# Altium PCB cheriot-test.PcbDoc (part 5 of 10)
Units mil, origin at the board's own origin, x right, y up, seen from the top; angles counter-clockwise.
Board outline 4921.26 x 3149.61 mil, 8 copper layers (Top Layer, Int1 (Sign), Int2 (GND), Int3 (Sign), Int4 (Sign), Int5 (PWR), Int6 (Sign), Bottom Layer), stack 60.424 mil thick; 468 components, 516 nets, 2293 pads, 1328 vias.
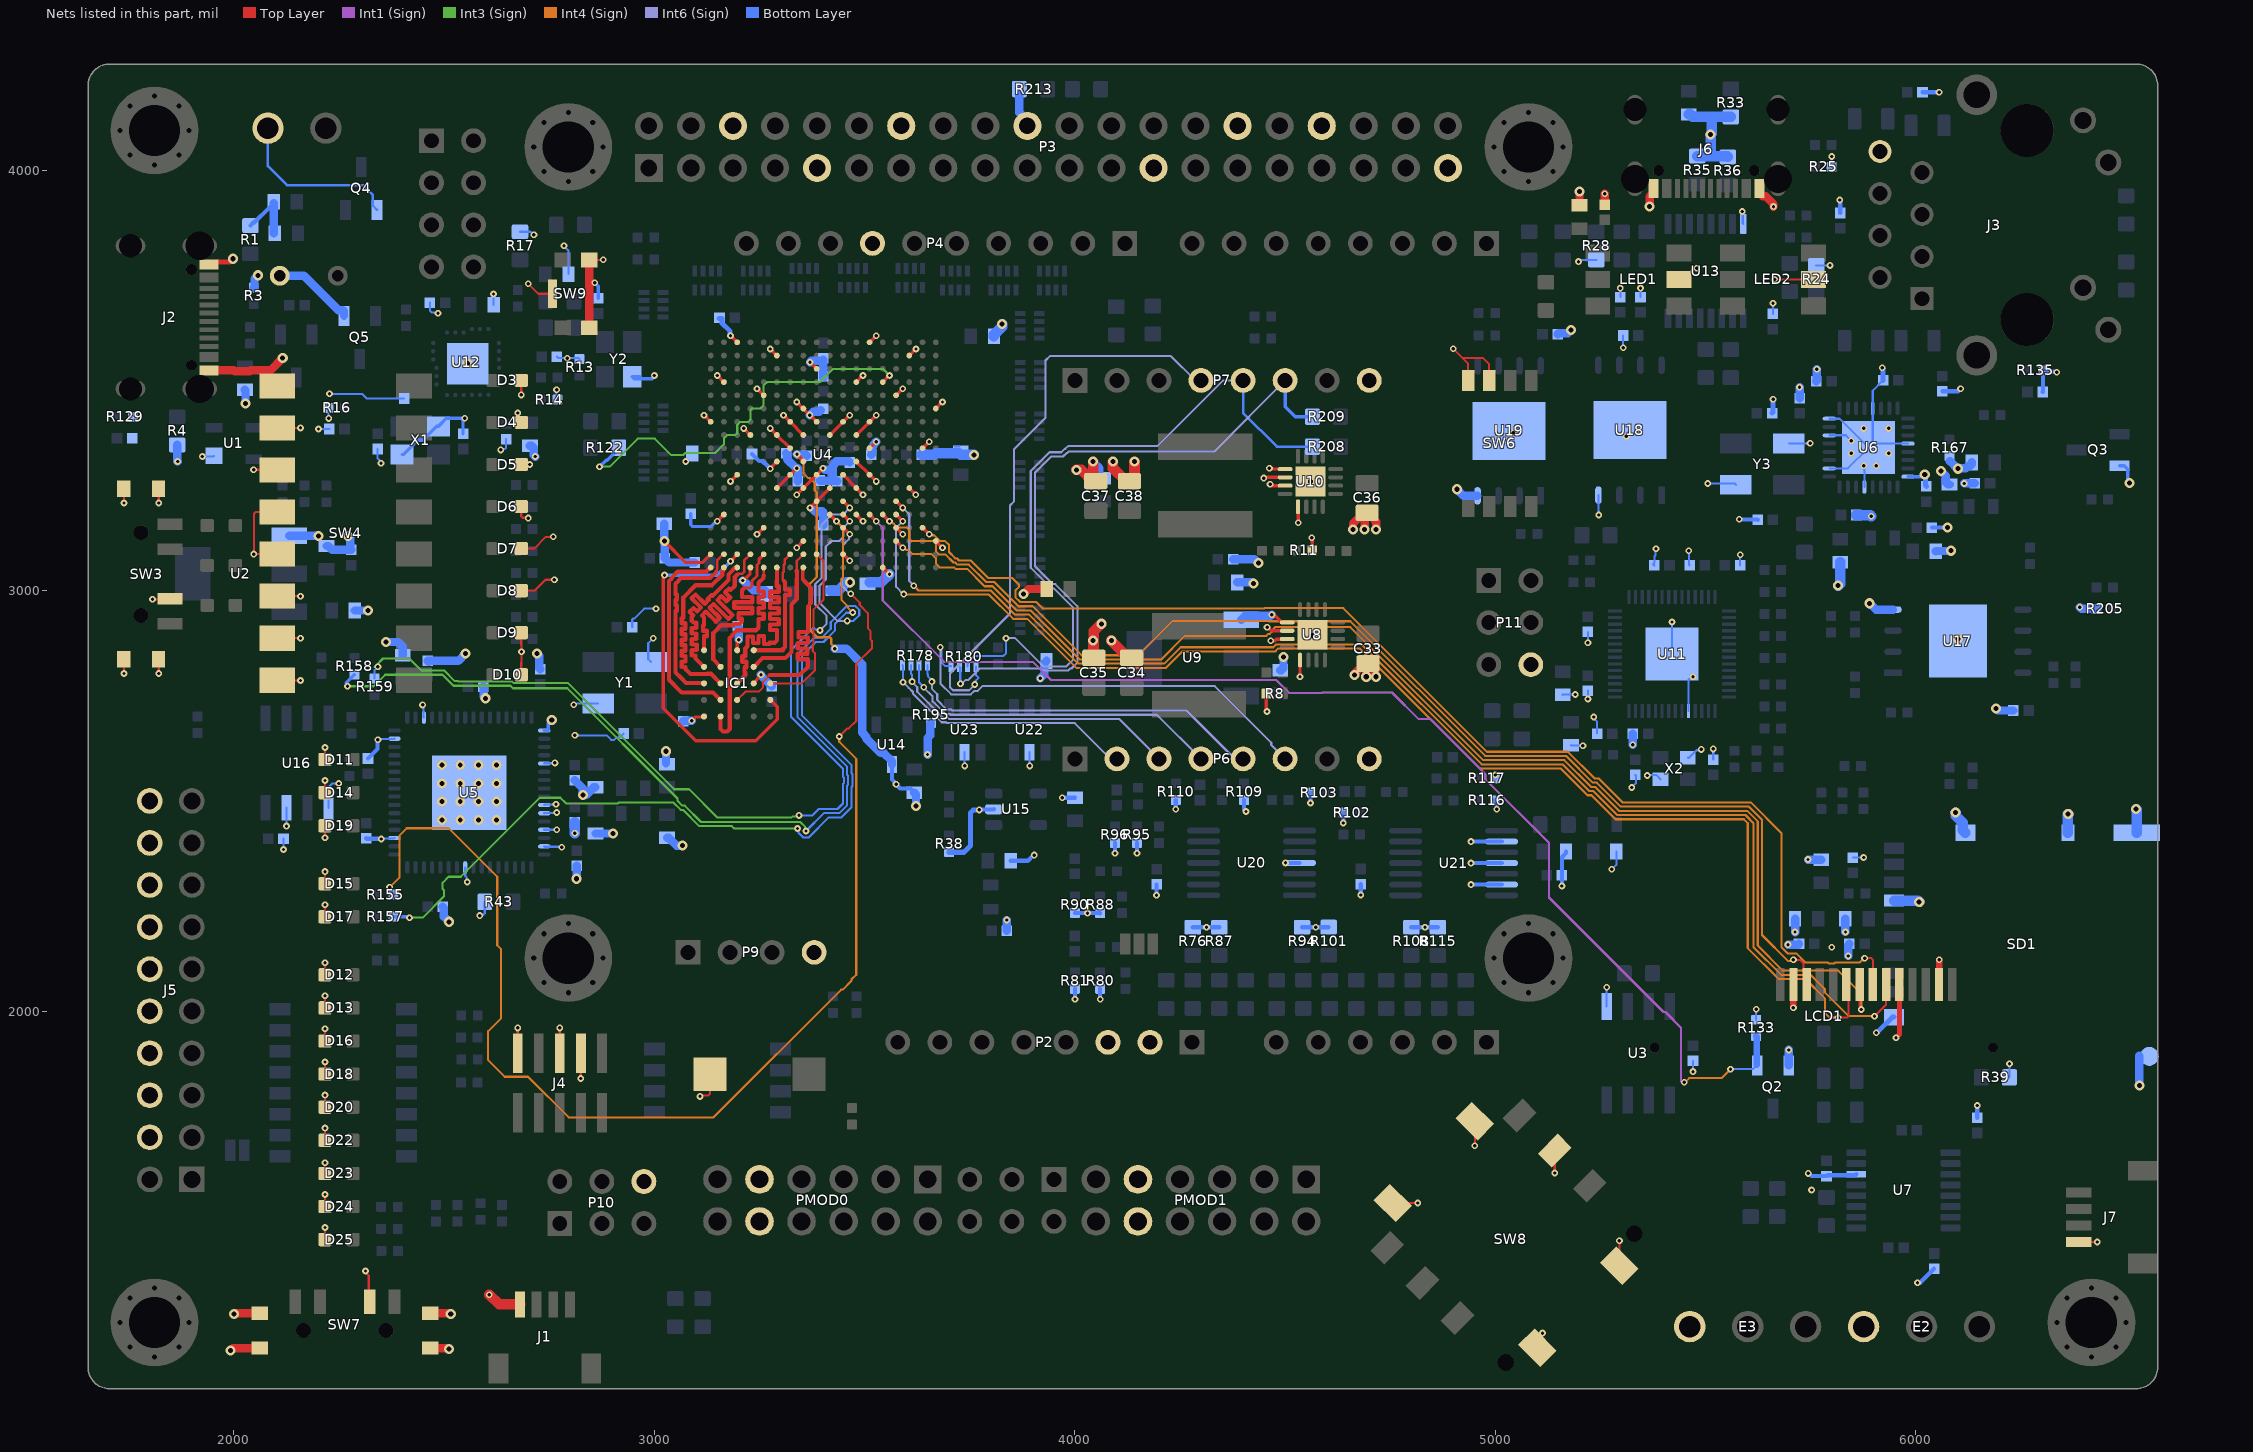
[diagram p11: the nets of this part, all layers, seen from the top]

## Via types
v1: diameter 16, hole 8, Top Layer to Bottom Layer, tented both sides, 1207 vias
v2: diameter 24, hole 12, Top Layer to Bottom Layer, tented both sides, 105 vias
v3: diameter 23.62, hole 11.81, Top Layer to Bottom Layer, tented both sides, 16 vias

## Nets (pads, with @x,y where several pads share a name; then routed paths per layer and width w, separated by ;. In a path a pad name is that pad's centre, name@x,y a point inside that pad or via, vN(x,y) a via of type N, cw(c..) or ccw(c..) an arc to the next point about the centre after c; other vN are vias at no path point) (continued)
GND: C1.2 C2.2 C3.2 C5.2 C6.2 C7.2 C8.2 C9.2 C10.2 C11.2 C12.2 C13.2 C14.2 C15.2 C16.2 C17.2 C18.2 C19.2 C20.2 C21.2 C22.2 C23.2 C24.2 C25.2 C26.2 C27.2 C28.2 C29.2 C30.2 C31.2 C32.2 C33.2 C34.2 C35.2 C36.2 C37.2 C38.2 C39.2 C40.2 C41.2 C42.2 C43.2 C44.2 C45.2 C46.2 C47.2 C48.2 C50.2 C51.2 C52.2 C53.2 C54.2 C55.2 C56.2 C57.2 C58.2 C59.2 C62.2 C63.1 C64.1 C65.2 C66.2 C67.2 C68.2 C69.2 C70.2 C71.2 C72.2 C73.2 C74.2 C75.2 C76.2 C77.2 C78.2 C79.2 C80.2 C81.2 C82.2 C83.2 C84.2 C85.2 C86.2 C87.2 C88.2 C89.2 C90.2 C91.2 C92.2 C93.2 C94.2 C95.2 C96.2 C97.2 C99.2 C100.2 C101.2 C102.2 C108.2 C109.2 C110.2 C111.2 C112.2 C113.2 C114.2 C115.2 C116.2 C117.2 C118.2 C119.1 C120.2 C121.2 C122.2 C123.2 C124.2 C125.2 C126.2 C127.2 C128.2 C129.2 C130.2 C131.2 C132.2 C133.2 C134.2 C135.2 C136.2 C137.2 C138.2 C139.2 C141.2 C142.1 D3.K D4.K D5.K D6.K D7.K D8.K D9.K D10.K D11.K D12.K D13.K D14.K D15.K D16.K D17.K D18.K D19.K D20.K D22.K D23.K D24.K D25.K E1.A2 E2.A1 E3.A1 IC1.B3 IC1.C1 IC1.E5 J1.1 J2.A1-B12 J2.B1-A12 J3.8 J4.3 J4.5 J4.9 J5.4 J5.6 J5.8 J5.10 J5.12 J5.14 J5.16 J5.18 J5.20 J6.A1-B12 J6.B1-A12 J7.1 LCD1.2 LCD1.5 LCD1.13 LED1.5 LED2.5 P2.2 P2.3 P3.6 P3.9 P3.14 P3.20 P3.25 P3.30 P3.34 P3.39 P4.7 P6.8 P7.8 P9.4 P10.6 P11.6 PMOD0.5 PMOD0.11 PMOD1.5 PMOD1.11 Q2.2 Q3.2 Q4.1 Q5.1 R1.2 R3.2 R4.2 R8.2 R11.2 R13.2 R14.2 R16.2 R17.1 R24.2 R25.2 R28.2 R33.2 R35.1 R36.1 R38.2 R39.2 R43.2 R76.1 R80.2 R81.1 R87.1 R88.2 R90.1 R94.1 R95.2 R96.1 R101.1 R102.2 R103.1 R108.1 R109.2 R110.1 R115.1 R116.2 R117.1 R129.2 R133.2 R135.2 R167.1 R195.1 R205.2 R213.1 SD1.6 SD1.10 SD1.11 SD1.12 SD1.13 SD1.14 SW3.3 SW3.5 SW3.6 SW3.7 SW3.8 SW4.1 SW4.2 SW4.3 SW4.4 SW4.5 SW4.6 SW4.7 SW4.8 SW5.1 SW6.7 SW6.8 SW7.3 SW7.5 SW7.6 SW7.7 SW7.8 SW8.5 SW8.MP1 SW8.MP2 SW8.MP3 SW8.MP4 SW9.3 SW9.4 SW9.5 U1.1 U2.1 U3.5 U4.A2 U4.A12 U4.B5 U4.B15 U4.C8 U4.C18 U4.D1 U4.D11 U4.E4 U4.E14 U4.F7 U4.F9 U4.F11 U4.F17 U4.G8 U4.G10 U4.G12 U4.H3 U4.H7 U4.H9 U4.H11 U4.H13 U4.J6 U4.J8 U4.J12 U4.J16 U4.K7 U4.K11 U4.L2 U4.L8 U4.L12 U4.M5 U4.M7 U4.M9 U4.M11 U4.M15 U4.N8 U4.N10 U4.N12 U4.N18 U4.P1 U4.R4 U4.R14 U4.T7 U4.T17 U4.U10 U4.V3 U4.V13 U5.1 U5.5 U5.10 U5.11 U5.13 U5.15 U5.25 U5.35 U5.47 U5.51 U5.65 U6.4 U6.8 U6.13 U6.18 U6.22 U6.24 U6.29 U6.33 U7.14 U8.1 U8.2 U8.3 U8.5 U8.17 U9.1 U10.1 U10.2 U10.3 U10.5 U10.17 U11.19 U11.57 U12.25 U13.8 U14.3 U15.2 U16.5 U16.7 U17.4 U17.9 U18.4 U18.9 U19.4 U19.9 U20.11 U21.9 U21.11 U21.13 U22.2 U23.2 X1.2 X1.4 X2.2 X2.4 Y1.2 Y1.4 Y2.2 Y3.2 Y3.4 | length 17820.9
  Top Layer w5: v1(1738.66,2802.98) 1738.66,2809.95 SW3.8@1738.66,2835.67 ; v1(1738.66,3208.5) 1738.66,3215.46 SW3.7@1738.66,3241.18 ; v1(1806.37,2979.37) 1813.33,2979.37 SW3.3@1848.9,2979.37 ; v1(1821.34,2802.98) 1821.34,2809.95 SW3.6@1821.34,2835.67 ; v1(1821.34,3208.5) 1821.34,3215.46 SW3.5@1821.34,3241.18 ; v1(2046.9,3287.58) 2102.42,3287.58 SW4.3@2103,3287 ; SW4.8@2103,2787 2103.75,2786.25 v1(2158.52,2786.25) ; SW4.7@2103,2887 v1(2158.52,2887) ; SW4.6@2103,2987 v1(2158.52,2987) ; SW4.5@2103,3087 v1(2047.48,3087) 2047.48,3182.33 2052.15,3187 SW4.4@2103,3187 ; SW4.2@2103,3387 v1(2158.52,3387) ; D25.K@2216.54,1456.69 2216.54,1478.48 v1(2216.54,1485.44) ; D24.K@2216.54,1535.43 2216.54,1557.22 v1(2216.54,1564.18) ; D23.K@2216.54,1614.17 2216.54,1635.96 v1(2216.54,1639.5) ; D22.K@2216.54,1692.91 2216.54,1714.7 v1(2216.54,1721.92) ; D20.K@2216.54,1771.65 2216.54,1793.44 v1(2216.54,1800.4) ; D18.K@2216.54,1850.39 2216.54,1872.18 v1(2216.54,1879.14) ; D16.K@2216.54,1929.13 2216.54,1950.92 v1(2216.54,1957.88) ; D13.K@2216.54,2007.87 2216.54,2029.66 v1(2216.54,2036.62) ; D12.K@2216.54,2086.61 2216.54,2108.4 v1(2216.54,2115.36) ; D17.K@2216.54,2224.41 2216.54,2246.19 v1(2216.54,2253.16) ; D15.K@2216.54,2303.15 2216.54,2324.93 v1(2216.54,2331.9) ; v1(2216.54,2412.2) 2216.54,2419.16 D19.K@2216.54,2440.94 ; D14.K@2216.54,2519.68 2216.54,2541.47 v1(2216.54,2548.43) ; D11.K@2216.54,2598.43 2216.54,2620.21 v1(2216.54,2627.17) ; v1(2313,1382) 2313,1379.02 2320.63,1371.39 SW7.3@2320.63,1308.9 ; J4.9@2675,1900 v1(2675,1960.24) ; v1(2675.19,3422.5) 2675.19,3408.27 D4.K@2683.46,3400 ; 2683.46,2828.75 2683.46,2821.78 D10.K@2683.46,2800 2684,2800.54 v1(2684,2854.5) 2684,2869.95 2683.46,2870.49 D9.K@2683.46,2900 ; D8.K@2683.46,3000 2714.92,3000 2740.92,3026 v1(2762.21,3026) ; D7.K@2683.46,3100 2713.92,3100 2741.92,3128 v1(2759.5,3128) ; D6.K@2683.46,3200 2683.46,3176.75 2686.86,3173.36 2699.01,3173.36 v1(2699.72,3172.64) ; D5.K@2683.46,3300 v1(2703.5,3300) ; v1(2683.46,3465.5) 2683.46,3478.22 D3.K@2683.46,3500 ; v1(2700,3730) 2724,3706 SW9.5@2757.9,3706 ; J4.5@2775,1900 v1(2775,1960.24) ; v1(2825,1839.76) J4.3@2825,1900 ; SW9.4@2845.5,3786.71 2871.22,3786.71 v1(2878.18,3786.71) ; v1(3108.36,1797.27) 3110.46,1799.37 3128.13,1799.37 3131.89,1803.13 SW5.1@3131.89,1850 ; SW8.MP1@4756.19,1543.81 4808.16,1543.81 v1(4815.13,1543.81) ; v1(4900,3575) 4922.06,3552.94 ; SW6.8@4935,3500 4935,3540 4922.06,3552.94 ; v1(4951.06,1679.75) 4951.06,1686.71 SW8.MP2@4951.06,1738.68 ; SW6.7@4985,3500 4985,3538.62 4970.69,3552.94 4922.06,3552.94 ; SW8.MP4@5100,1200 5100,1222.37 v1(5112.13,1234.5) ; v1(5141.06,1615.02) 5141.06,1621.99 SW8.5@5141.06,1668.39 ; SW8.MP3@5294.87,1394.87 v1(5294.87,1453.81) ; LED1.5@5436.46,3740 5446.3,3740 5471.19,3764.9 5476.9,3764.9 v1(5479,3767) ; v1(5663.94,3740) LED2.5@5756.46,3740 ; LCD1.2@6052.05,2069.61 LCD1.2@6055.5,2073.06 ; J7.1@6387.44,1451.18 v1(6430.95,1451.18)
  Top Layer w8: v2(3023.62,3118.11) 3074.8,3066.93 3114.17,3066.93 U4.A2@3133.86,3086.61 ; 3095.78,2698.14 3097.17,2699.53 3116.85,2699.53 IC1.E5@3118.11,2700.79 ; v1(3118.11,3417.32) U4.A12@3133.86,3401.57 ; v1(3149.61,3165.35) U4.B5@3165.35,3181.1 ; v1(3149.61,3511.81) U4.B15@3165.35,3496.06 ; v1(3181.1,3259.84) U4.C8@3196.85,3275.59 ; v1(3181.1,3606.3) U4.C18@3196.85,3590.55 ; IC1.C1@3196.85,2858.27 3197.09,2858.51 3197.09,2877.55 3200.43,2880.89 v1(3200.43,2883.06) ; v1(3210.05,3024.22) 3212.07,3024.22 3227.24,3039.39 3227.24,3054.01 U4.D1@3228.35,3055.12 ; v1(3212.6,3385.83) U4.D11@3228.35,3370.08 ; IC1.B3@3236.22,2779.53 3236.22,2781.26 3253.4,2798.44 v1(3253.4,2800.16) ; v1(3244.09,3133.86) U4.E4@3259.84,3149.61 ; v1(3244.09,3480.32) U4.E14@3259.84,3464.57 ; v1(3275.59,3290.13) 3275.59,3290.74 3291.34,3306.48 U4.F9@3291.34,3307.09 ; v1(3275.59,3385.83) U4.F11@3291.34,3370.08 U4.G10@3322.83,3338.58 ; v1(3275.59,3574.8) U4.F17@3291.34,3559.06 ; U4.F7@3291.34,3244.09 U4.G8@3322.83,3275.59 v1(3338.58,3291.34) ; v1(3307.09,3417.32) U4.G12@3322.83,3401.57 U4.H11@3354.33,3370.08 ; v1(3338.58,3102.36) U4.H3@3354.33,3118.11 ; v1(3338.58,3228.35) U4.H7@3354.33,3244.09 U4.J8@3385.83,3275.59 3401.08,3290.84 v1(3401.08,3291.34) ; v1(3338.58,3448.82) U4.H13@3354.33,3433.07 U4.J12@3385.83,3401.57 ; v1(3370.08,3196.85) U4.J6@3385.83,3212.6 U4.K7@3417.32,3244.09 ; v1(3370.08,3543.31) U4.J16@3385.83,3527.56 ; U4.K11@3417.32,3370.08 U4.L12@3448.82,3401.57 v1(3464.57,3417.32) ; U4.L2@3448.82,3086.61 v1(3464.57,3070.87) ; U4.L8@3448.82,3275.59 U4.M7@3480.32,3244.09 v1(3496.06,3228.35) ; U4.M5@3480.32,3181.1 v1(3496.06,3165.35) ; U4.M9@3480.32,3307.09 U4.N8@3511.81,3275.59 v1(3527.56,3259.84) ; U4.M11@3480.32,3370.08 U4.N12@3511.81,3401.57 v1(3527.56,3417.32) ; U4.M15@3480.32,3496.06 v1(3496.06,3511.81) ; U4.N10@3511.81,3338.58 v1(3527.56,3354.33) ; U4.N18@3511.81,3590.55 v1(3527.56,3606.3) ; U4.P1@3543.31,3055.12 v1(3559.06,3039.37) ; U4.R4@3574.8,3149.61 v1(3590.55,3133.86) ; U4.R14@3574.8,3464.57 v1(3590.55,3480.31) ; U4.T7@3606.3,3244.09 3606.3,3243.99 3621.83,3228.45 v1(3621.83,3228.35) ; U4.T17@3606.3,3559.06 v1(3622.05,3574.8) ; U4.U10@3637.8,3338.58 v1(3653.54,3354.33) ; U4.V3@3669.29,3118.11 v1(3685.04,3102.36) ; U4.V13@3669.29,3433.07 v1(3685.04,3448.82) ; v1(4448.82,3267.72) 4450.65,3269.55 4499.82,3269.55 U10.2@4500,3269.37 ; R8.2@4455.31,2755 4455.31,2713.98 v1(4456.69,2712.6) ; v1(4457.06,2912.68) 4459.22,2912.68 4467.06,2904.84 U8.2@4504.96,2904.84 ; v1(4462.57,3291.18) 4464.1,3289.65 4471.19,3289.65 4471.43,3289.41 4499.65,3289.41 U10.1@4500,3289.06 ; v1(4464.17,3253.22) 4466.33,3253.22 4469.87,3249.68 U10.3@4500,3249.68 ; v1(4465.51,2880.84) 4475.1,2880.84 4479.06,2884.8 4504.61,2884.8 U8.3@4504.96,2885.16 ; v1(4468.5,2942.84) 4470.03,2941.31 4475.38,2941.31 4492.17,2924.53 U8.1@4504.96,2924.53 ; U10.5@4530.51,3199.49 4530.86,3199.14 4530.86,3161.83 v1(4531.2,3161.48) ; U8.5@4535.47,2834.96 v1@4535.47,2795.31 ; v1(4562.99,3125.98) 4564.51,3124.47 R11.2@4564.51,3095.54 ; v1(4535.43,2795.28) v1@4535.47,2795.31
  Top Layer w10: v1(3338.98,3324.52) 3338.98,3323.46 3354.33,3308.11 U4.H9@3354.33,3307.09
  Top Layer w12: J2.A1-B12@1941.34,3775.98 1947.15,3781.8 1990.46,3781.8 v2(1998.03,3789.37) ; v1(5952.76,1937.01) 5960.63,1944.89 LCD1.5@5960.63,2062.99
  Top Layer w15: v1(5708.66,2007.87) LCD1.13@5708.66,2066.54 ; LCD1.2@6055.5,2073.06 v1(6055.5,2121.98)
  Top Layer w20: J2.B1-A12@1941.34,3524.02 2000.17,3524.02 2002.19,3522 2037.81,3522 2039.83,3524.02 2087.01,3524.02 v2(2116.14,3553.15) ; v2(1992.13,1192.91) 1997.87,1198.66 SW7.7@2058.82,1198.66 ; v2(2000,1279.53) 2001.81,1281.34 SW7.5@2058.82,1281.34 ; SW7.8@2464.33,1198.66 2510,1198.66 v2(2511.81,1196.85) ; SW7.6@2464.33,1281.34 2513.94,1281.34 v2(2515.75,1279.53) ; SW9.3@2845.5,3625.29 SW9.4@2845.5,3786.71 ; v2(3877.95,2992.41) 3889.48,3003.94 C12.2@3933.07,3003.94 ; v2(4661.42,3145.67) 4661.42,3159.29 4687.13,3185 C36.2@4695,3185 ; v2(4665.35,2799.21) 4665.35,2803.15 4688.98,2826.77 C33.2@4696.85,2826.77 ; v2(4688.98,3145.67) 4688.98,3178.98 C36.2@4695,3185 ; v2(4692.91,2795.28) 4692.91,2822.83 C33.2@4696.85,2826.77 ; v2(4716.54,2795.28) 4714.41,2797.4 4714.41,2817.09 4704.72,2826.77 C33.2@4696.85,2826.77 ; v2(4716.54,3145.67) 4716.54,3163.46 4712.56,3167.44 4712.56,3175.31 4702.87,3185 C36.2@4695,3185 ; C50.2@5200,3916.2 v2(5200,3949.61) ; C51.2@5260,3918.11 v1(5260,3943.71) ; v2(5366.14,3913.39) 5366.91,3914.15 5366.91,3936.79 5374.17,3944.06 5374.17,3954.88 J6.B1-A12@5375.98,3956.69 ; J6.A1-B12@5627.95,3956.69 5627.95,3945.87 5636.25,3937.57 5643.1,3937.57 5661.42,3919.26 v1(5661.42,3913.39)
  Top Layer w25: v1(2607.45,1325.68) 2630.58,1302.56 J1.1@2680.71,1302.56 ; v2(4003.53,3287.15) 4014.97,3287.15 4041.69,3260.43 C37.2@4049.57,3260.43 4043.31,3266.69 v2(4043.31,3307.09) ; v2(4043.31,2881.89) 4043.31,2842.13 C35.2@4045,2840.43 4045,2903.27 v2(4062.99,2921.26) ; v2(4086.61,2881.89) 4086.61,2880.94 4127.13,2840.43 C34.2@4135,2840.43 ; v2(4090.55,3307.09) 4090.55,3291.57 4121.69,3260.43 C38.2@4129.57,3260.43 4134.55,3260.43 4141.73,3267.62 v2(4141.73,3307.09)
  Int4 (Sign) w5: v1(3338.98,3324.52) 3354.33,3309.17 3354.33,3279.53 3366.14,3267.72 3370.08,3267.72
  Int4 (Sign) w6: 3370.08,3267.72 3381.44,3256.36 3381.44,3238.41 3386.08,3233.77 3386.08,3032.74 3369.74,3016.41 3369.74,2906.82 3387.05,2889.51 3416.52,2889.51 3420.21,2885.83 3420.21,2873.84 3429.13,2864.91 v1(3429.13,2862.2)
  Bottom Layer w5: v1(1925.2,3318.9) 1951.18,3318.9 U1.1@1952.76,3320.47 ; v1(2118.11,2384.4) 2118.11,2391.36 C79.2@2118.11,2410 ; v1(2125,2440.19) U16.7@2125,2483.7 ; v1(2201.29,3384.37) 2208.25,3384.37 C48.2@2226.89,3384.37 ; U16.5@2225,2483.7 2225,2532.24 2234.07,2541.32 2249.45,2541.32 v1(2249.57,2541.43) ; v1(2225.32,3409.69) 2225.32,3416.66 R16.2@2225.32,3434.51 ; v1(2227.41,3468) 2304.81,3468 2315.92,3456.89 C44.2@2405,3456.89 ; C95.2@2341.71,3336.89 2341.71,3314.27 2349.96,3306.02 v1(2349.96,3303.04) ; v1(2342.52,2645.67) 2343.88,2647.03 2380.92,2647.03 U5.47@2381.85,2647.95 ; v1(2350.39,2409.45) 2351.75,2410.81 2380.92,2410.81 U5.35@2381.85,2411.73 ; v1(2448.82,2728.35) 2450.81,2726.36 2450.81,2699.08 U5.51@2451.73,2698.15 ; C46.2@2466.02,3685 2466.02,3666.37 2470.88,3661.5 2483.4,3661.5 v1(2485.5,3659.4) ; U5.25@2550.16,2341.85 2550.16,2322.1 2553.01,2319.24 2553.01,2309.19 v1(2555.12,2307.09) ; v2(2555.59,3539.84) U12.25@2556.15,3539.84 ; v1(2584.5,2227.31) 2586.6,2229.42 2593.14,2229.42 2596.54,2232.81 R43.2@2596.54,2260 ; C45.2@2617.56,3680 2617.56,3704.74 v1(2617.56,3705.35) ; v1(2634.5,3334.77) 2636.6,3336.88 2644.11,3336.88 2647.51,3340.27 C43.2@2647.51,3360.37 ; R17.1@2680.44,3853.46 2705.44,3853.46 2712.24,3846.67 v1(2713.45,3846.67) ; U5.15@2738.15,2392.05 2739.08,2391.12 2778.17,2391.12 v1(2779.53,2389.76) ; U5.13@2738.16,2431.43 v1(2767.72,2431.44) ; U5.11@2738.15,2470.79 2738.98,2471.61 2766.89,2471.61 v1(2767.72,2472.44) ; U5.10@2738.15,2490.47 2738.96,2491.29 2765.1,2491.29 v1(2765.91,2492.1) ; U5.5@2738.15,2588.9 2738.91,2589.66 2762.73,2589.66 v1(2763.49,2590.42) ; v1(2767.39,3477.6) 2767.39,3456.59 R14.2@2769.68,3454.3 ; C94.2@2768.11,3556.75 2771.86,3553 v1(2793,3553) 2819.82,3553 R13.2@2822,3550.81 ; v1(2785,3820) 2785,3819.42 2795.67,3808.75 C47.2@2795.67,3752.68 ; v1(2808,2729) 2810.98,2729 2813.87,2731.89 Y1.4@2866.14,2731.89 ; v1(2811,2656) 2886.62,2656 2897.34,2645.28 2904.17,2645.28 2909.05,2650.16 2916.67,2650.16 C78.2@2926.77,2660.25 ; C70.2@2860,2422.44 C70.2@2861.18,2421.26 ; C77.2@2947.24,2913.39 2947.24,2931.56 2949.17,2933.48 2952.02,2933.48 2975.81,2957.27 v1(3003.79,2957.27) ; Y1.2@2992.13,2830.32 2985.5,2836.94 2985.5,2875 v1(2997.31,2886.81) ; C72.2@3025.5,2592.06 3027.56,2590 C72.2@3030,2587.56 ; v2@3027.56,3114.17 v2@3028.18,3114.17 ; C28.2@3714.65,3342.97 3715.06,3342.56 C28.2@3725,3342.56 ; v1(3737.91,2583.23) 3737.91,2590.2 U23.2@3737.91,2615.92 ; v1(3892.51,2583.23) 3892.51,2590.2 U22.2@3892.51,2615.92 ; U19.9@5032.53,3380 5038.03,3380 v1(5042.52,3375.51) ; C82.2@5160,2752.44 5160.61,2753.05 v1(5189.63,2753.05) ; C81.2@5180,2632.44 5180.94,2631.5 v1(5208.13,2631.5) ; v1(5197.5,3782.59) 5200.48,3782.59 5204.43,3786.54 R28.2@5240,3786.54 ; v1(5220,2742.26) C89.2@5220,2761.89 ; v1(5220,2876.29) C86.2@5220,2901.89 ; v1(5233.68,2699.5) 5233.68,2696.52 5241.89,2688.31 5241.89,2678.64 C87.2@5241.89,2660 ; U18.4@5245,3227.26 5245.5,3226.76 5245.5,3180.5 v1(5246,3180) ; U3.5@5264.59,2011.22 v1(5264.59,2056.7) ; v1(5276.65,2337.29) 5276.65,2337.39 5287.56,2348.3 C100.2@5287.56,2379.9 ; C55.2@5297.14,3698.11 5297.14,3716.74 v1(5297.14,3719.5) ; v1(5303.78,3577.5) 5303.78,3588.21 C83.2@5303.78,3606.84 ; v1(5311.52,3367.35) 5311.52,3373.33 U18.9@5320,3381.81 ; v1(5324.48,2531.94) 5324.48,2532.37 5333.9,2541.79 5333.9,2560.16 C93.2@5332.17,2561.89 ; C54.2@5345.08,3698.11 5345.08,3716.74 v1(5345.08,3719.5) ; v1(5360.93,2560.5) 5362.37,2561.94 5367.89,2561.94 5382.15,2561.94 X2.2@5392.63,2551.46 ; C90.2@5377.85,3060 5375,3062.85 5378.5,3066.35 5378.5,3081.94 5381,3084.44 5381,3098.96 v1(5381.98,3099.94) ; U11.57@5420,2849.36 v1(5420,2925.36) ; X2.4@5457.59,2602.64 5460.55,2602.64 5478.3,2620.4 5487.19,2620.4 v1(5489.29,2622.5) ; U11.19@5459.37,2713.54 5459.37,2788.87 5465.5,2795 v1(5470,2795) ; v1(5460,3095) 5460,3061.89 C84.2@5461.89,3060 ; v1(5470,1856.29) C65.2@5470,1881.89 ; v1(5505,3255) 5568.9,3255 Y3.2@5571.97,3251.93 ; C92.2@5518.06,2598.11 v1(5518.06,2623.71) ; R33.2@5560,4126.54 R33.2@5562.52,4124.02 ; C88.2@5582.06,3060 5582.06,3078.63 v1(5582.06,3085.6) ; v1(5586.86,3901.63) 5588.21,3900.28 5588.21,3873.56 U13.8@5589.57,3872.2 ; R133.2@5620,1979.68 v1(5620,2004.5) ; C53.2@5660,3658.11 v1(5660,3683.71) ; Y3.4@5697.95,3350.36 5741.39,3350.36 v1(5748.35,3350.36) ; R24.2@5763.07,3773.46 5788.79,3773.46 v1(5795.75,3773.46) ; U6.18@5794.05,3290.79 5838.35,3290.79 U6.33@5887.56,3340 ; U6.22@5794.05,3369.53 5833.23,3369.53 v1(5846.46,3356.3) ; U6.24@5794.05,3408.9 5818.66,3408.9 U6.33@5887.56,3340 ; R25.2@5799.69,4007.68 5799.69,4025.53 v1(5799.69,4032.49) ; C122.2@5850,2365.26 v1(5875.6,2365.29) ; U6.33@5875,3290 5877.72,3287.28 U6.13@5877.72,3246.49 ; C131.2@5921.89,3500 5897.4,3475.51 U6.29@5897.4,3433.51 U6.33@5897.4,3349.84 ; U6.4@5981.07,3349.84 U6.33@5897.4,3349.84 ; R39.2@6222.44,1842.52 6222.44,1868.24 v1(6222.44,1875.21) ; 6361.61,2450.31 v2@6361.61,2457.28 ; U6.33@5887.56,3340 U6.33@5897.4,3349.84
  Bottom Layer w6: E1.A2@2081.1,4100 2081.1,4009.45 2125.98,3964.57 2307.09,3964.57 2330.76,3940.9 2330.76,3915.31 Q4.1@2340.55,3905.51
  Bottom Layer w8: X1.2@2400,3323.9 2403.94,3323.9 2437.4,3357.36 2449.21,3357.36 2482.68,3390.83 X1.4@2486.61,3390.83 2505.47,3409.69 2540.31,3409.69 v1@2544.61,3405.39 ; C96.2@2545,3373.11 2545,3405 v1@2544.61,3405.39 ; v1(2549.21,3410) v1@2544.61,3405.39 ; U5.1@2738.15,2667.64 2746.7,2667.64 2747.55,2668.49 2747.55,2684.56 v2(2755.91,2692.91) ; v1(2858.27,3732.28) 2866.14,3724.41 C141.2@2866.14,3695.28 ; Y2.2@2965.58,3509 2947.82,3509 Y2.2@2947.48,3508.66 2952.2,3503.94 2995.31,3503.94 2995.31,3504.96 3000,3509.65 v1(3000,3511.81) ; C18.2@3086.61,3182.99 3086.61,3157.2 3091.3,3152.51 3134.6,3152.51 3147.44,3165.35 v1(3149.61,3165.35) ; U6.8@5981.07,3271.1 6011.87,3271.1 6016.7,3275.93 v2(6021.03,3275.93) ; Q3.2@6484.25,3297.24 6495.08,3297.24 6503.87,3288.45 6503.87,3259.91 v2(6507.87,3255.91)
  Bottom Layer w10: R1.2@2039.37,3868.11 2047.24,3875.98 2049.21,3875.98 2084.53,3911.3 2085.12,3911.3 2094.88,3921.06 C3.2@2094.88,3925 ; C135.2@2314.96,2411.02 2315.75,2410.24 2349.61,2410.24 v1(2350.39,2409.45) ; C136.2@2318.9,2600.79 2341.37,2623.26 2341.37,2644.52 v1(2342.52,2645.67) ; C22.2@3232.22,3325.05 3249.14,3308.13 3256.46,3308.13 3260.42,3304.17 3261.55,3304.17 v1(3275.59,3290.13) ; U14.3@3564.96,2586.61 3564.96,2550.84 3574.8,2540.99 v1(3574.8,2539.37) 3584.72,2529.45 3608.35,2529.45 C59.2@3618.11,2519.68 ; v1(3772.33,2478.66) 3773,2479.33 3806.18,2479.33 U15.2@3806.85,2480 ; C57.2@3847.56,2357.75 3888.13,2357.75 3901.55,2371.17 v1(3903.17,2371.17) ; v1(3969.82,2507.56) 3975.26,2507.56 C58.2@4000,2507.56 ; R81.1@4000,2053.11 R81.1@4000,2053.11 4000.05,2028.44 v1(4000.1,2028.39) ; R90.1@4000,2233.43 4000.16,2233.27 v1(4030,2233.27) 4059.84,2233.27 R88.2@4060,2233.11 ; v1(4060,2028.3) R80.2@4060,2053.11 ; v1(4095.37,2375.5) 4095.37,2382.47 R96.1@4095.37,2400.32 ; v1(4147.68,2375.5) 4147.68,2382.47 R95.2@4147.68,2400.32 ; v1(4194.19,2275.98) 4194.19,2282.94 C97.2@4194.19,2301.57 ; v1(4240,2480) R110.1@4240,2501.86 ; R76.1@4280.31,2199.52 4306.04,2199.52 v1(4313,2199.52) R87.1@4343.38,2199.52 ; R109.2@4402.32,2501.86 4402.32,2479.68 v1(4407,2475) ; v1(4500.88,2352.63) U20.11@4534.17,2352.63 ; R94.1@4540.31,2199.52 4566.04,2199.52 v1(4573,2199.52) 4573.24,2199.76 4603.14,2199.76 R101.1@4603.38,2200 ; v1(4560.32,2495.19) 4560.32,2502.15 R103.1@4560.31,2520 ; v1(4638.44,2447.5) 4638.44,2454.47 R102.2@4638.44,2472.32 ; v1(4680,2276.29) C99.2@4680,2301.89 ; R108.1@4800,2199.52 4825.72,2199.52 v1(4832.69,2199.52) R115.1@4863.07,2199.52 ; v1(4941.99,2300.97) U21.13@5014.93,2300.97 ; v1(4941.99,2352.15) U21.11@5014.93,2352.15 ; v1(4941.99,2403.33) U21.9@5014.93,2403.33 ; R116.2@4999.69,2501.38 5002.37,2498.69 5002.37,2481.65 v1(5003.52,2480.5) ; R117.1@4999.69,2553.7 v1(4999.69,2561.5) ; v1(5158.11,2297.81) 5158.11,2304.78 C102.2@5158.11,2323.41 5158.11,2366.18 5167.89,2375.97 C101.2@5167.89,2379.9 ; v1(5580,3170) 5580.57,3169.43 5623.21,3169.43 C108.2@5623.78,3168.87 ; v1(5744.09,1614.17) 5745.72,1614.17 5752.02,1607.87 C64.1@5787.4,1607.87 5789.57,1610.04 5856.1,1610.04 U7.14@5858.27,1612.2 ; v1(5818.9,3929.13) 5820,3928.03 C120.2@5820,3898.11 ; v1(6003.94,1354.33) 6010.24,1354.33 C62.2@6043.31,1387.4 ; C119.1@6015.75,4185.04 v1(6055.12,4185.04) ; C129.2@6038.11,3150.03 v2(6074.97,3150.03) ; C142.1@6062.99,3474.02 6100,3474.02 v1(6106.3,3480.32) ; C63.1@6145.67,1746.46 v1(6145.67,1775.59) ; C118.2@6301.57,3472.44 6302.36,3473.23 6302.36,3522.83 R135.2@6303.15,3523.62 6307.09,3519.68 6308.23,3520.83 6333.5,3520.83 v1(6334.65,3519.68)